# KiCad board AmigaPCI 68040.kicad_pcb (continued)
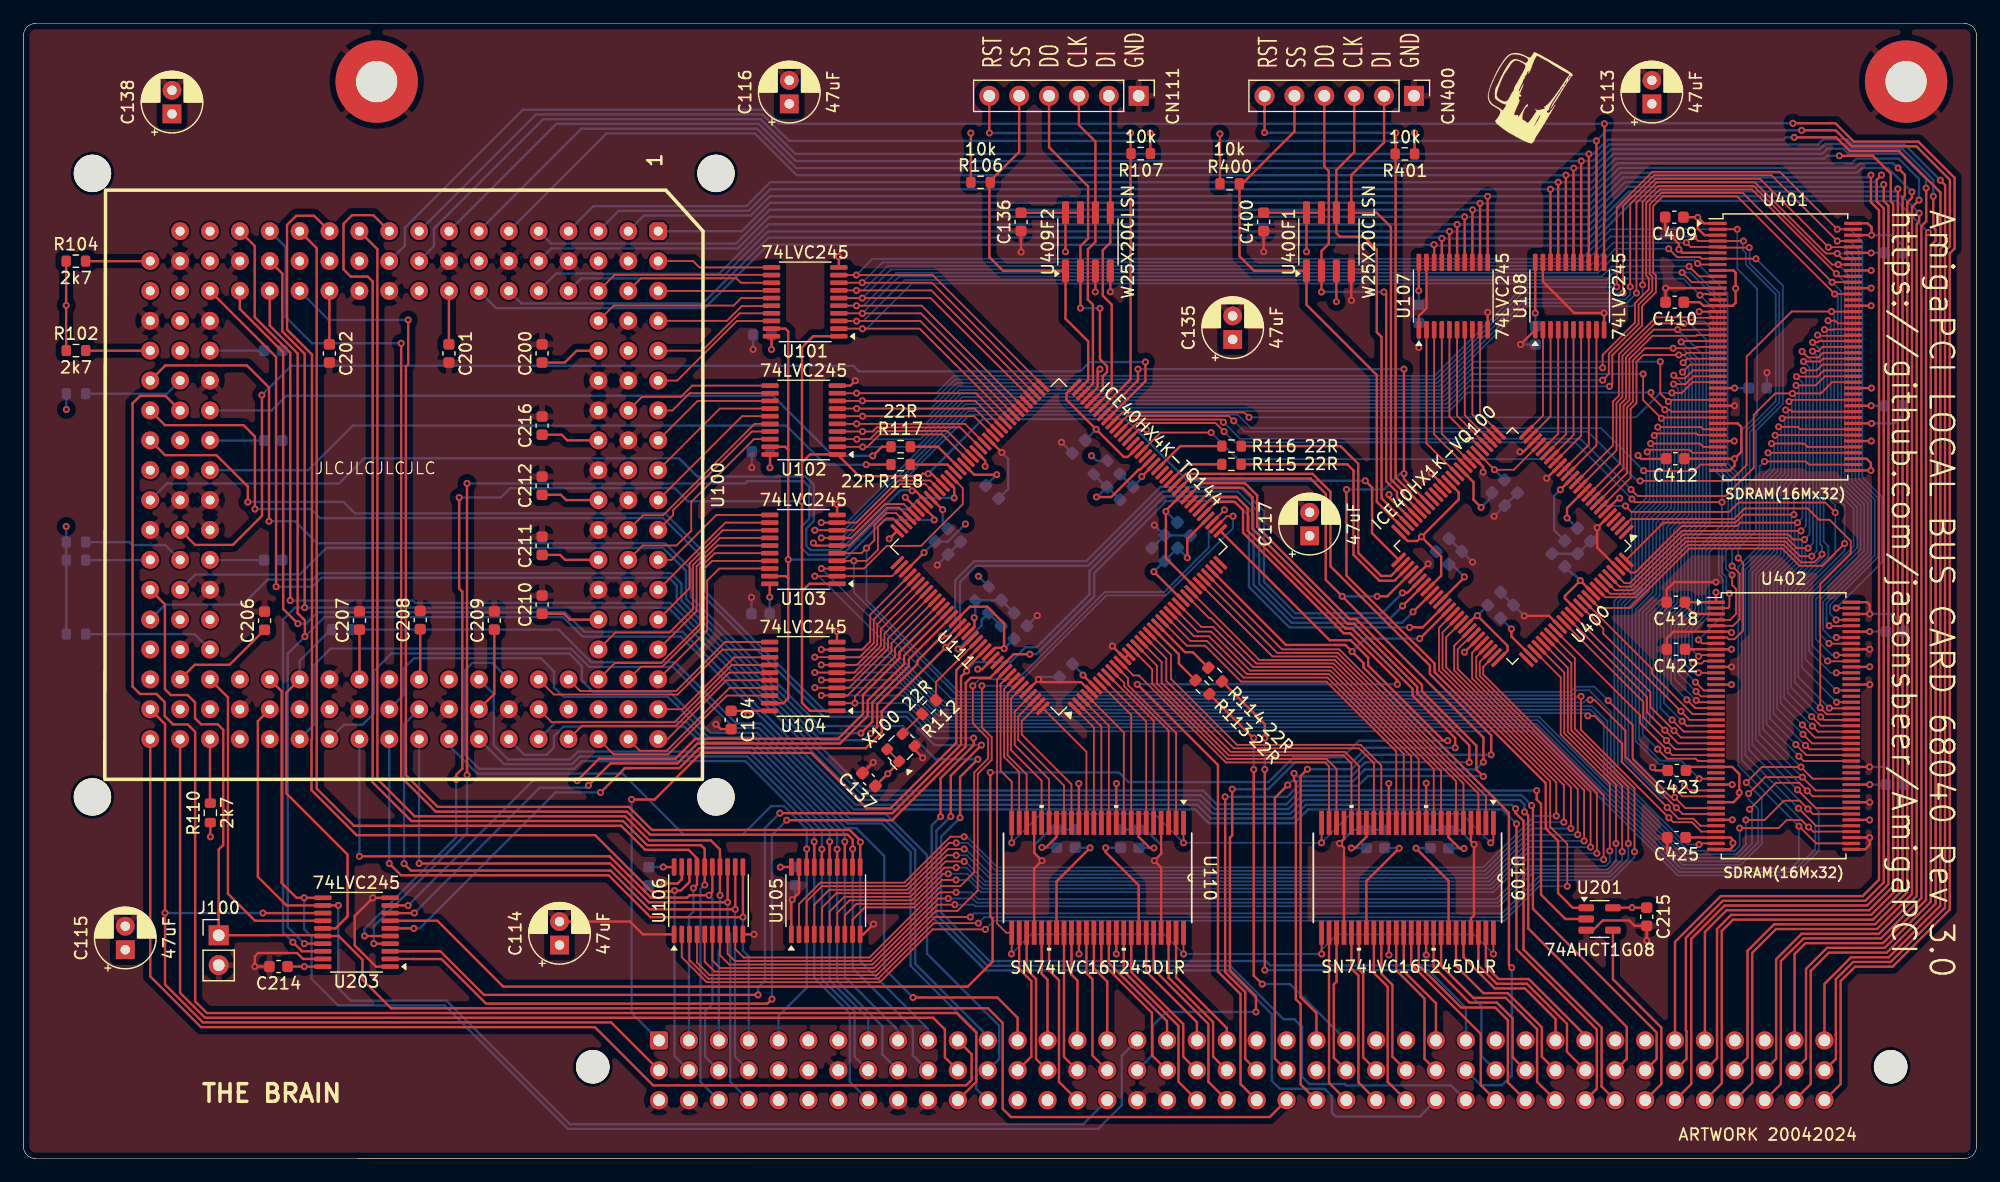
[diagram p0: board, top side]
## Routing (per net, layer and track width the routed paths; a pad name or vN(x,y) marks a point on that pad's centre or on a via; arc(x,y) is an arc through that point) (continued)
LVA10: length 90.4
  Top w0.15: U105.8 69.81,20.66 70.8,21.64 75.62,21.64 78.17,24.2 v1(78.6,24.2) ; v1(133.73,25.94) 133.73,31.05 123.78,41.01 123.78,42.21 U400.73
  Bottom w0.15: v1(133.73,25.94) 133.73,25.94 127.8,25.94 124.8,22.94 81.51,22.94 80.25,24.2 v1(78.6,24.2)
LVA11: length 90
  Top w0.15: U105.9 70.46,20.3 71.5,21.34 75.74,21.34 78.07,23.67 v1(79.27,23.67) ; v1(134.31,25.41) 134.31,30.9 124.08,41.13 124.08,41.8 U400.74
  Bottom w0.15: v1(134.31,25.41) 127.7,25.41 124.93,22.64 81.39,22.64 80.35,23.67 v1(79.27,23.67)
LVA12: length 109.3
  Top w0.15: v1(81.16,20) 77.37,20 72.65,15.28 58.19,15.28 56.6,16.88 U106.3 ; U400.82 131.86,42.52 131.86,36.52 136.93,31.45 v1(136.93,26.07)
  Bottom w0.15: v1(81.16,20) 81.67,20.51 125.77,20.51 128.92,23.66 135,23.66 136.93,25.6 v1(136.93,26.07)
LVA13: length 110
  Top w0.15: v1(81.76,19.47) 77.27,19.47 72.78,14.98 58.07,14.98 55.95,17.1 U106.2 ; v1(131.22,23.14) 131.22,26.74 129.76,28.2 129.76,32.05 120.32,41.5 120.32,45.12 U400.64
  Bottom w0.15: 125.47,20.21 125.89,20.21 128.82,23.14 v1(131.22,23.14) ; 125.47,20.21 82.49,20.21 v1(81.76,19.47) ; 125.47,20.21 125.86,20.21 125.87,20.21
LVA14: length 105.1
  Top w0.15: v1(135.88,26.08) 135.88,31.66 131.26,36.28 131.26,41.7 U400.80 ; v1(79.16,21.57) 77.67,21.57 72.28,16.18 59.21,16.18 58.55,16.84 U106.6
  Bottom w0.15: 134.75,24.26 128.25,24.26 125.43,21.44 80.89,21.44 80.76,21.57 v1(79.16,21.57) ; 134.75,24.26 134.86,24.37 ; 134.75,24.26 134.86,24.37 ; 134.86,24.37 135.88,25.4 v1(135.88,26.08)
LVA15: length 107.6
  Top w0.15: v1(80.48,20.52) 77.47,20.52 72.53,15.58 58.32,15.58 57.25,16.65 U106.4 ; U400.81 131.56,42.11 131.56,36.4 136.41,31.56 v1(136.41,26.77)
  Bottom w0.15: v1(136.41,26.77) 136.41,25.5 134.87,23.96 128.8,23.96 125.67,20.84 80.8,20.84 v1(80.48,20.52)
LVA16: length 13.2
  Top w0.15: U108.9 133.7,60.62 U400.15
LVA17: length 12.8
  Top w0.15: U108.8 133.05,60.67 U400.16
LVA18: length 11.6
  Top w0.15: U108.6 131.75,61.5 U400.19
LVA19: length 12.1
  Top w0.15: U400.18 132.4,61.44 U108.7
LVA20: length 11.1
  Top w0.15: U108.5 131.1,61.55 U400.20
LVA21: length 10.7
  Top w0.15: U400.21 130.45,61.61 U108.4
LVA22: length 10.3
  Top w0.15: U400.28 122.5,63.19 U107.7
LVA23: length 13.3
  Top w0.15: U400.36 119.25,60.78 U107.2
LVA24: length 9.8
  Top w0.15: U400.24 129.8,63.08 U108.3
LVA25: length 12.6
  Top w0.15: U107.3 119.9,61.55 U400.34
LVA26: length 10.8
  Top w0.15: U107.6 121.85,63.13 U400.29
LVA27: length 9.3
  Top w0.15: U400.25 129.15,63.14 U108.2
LVA28: length 11.3
  Top w0.15: U400.30 121.2,63.07 U107.5
LVA29: length 9.4
  Top w0.15: U107.9 123.8,63.3 U400.26
LVA30: length 12.2
  Top w0.15: U400.33 120.55,61.6 120.55,70.44
LVA31: length 9.8
  Top w0.15: U107.8 123.15,63.25 U400.27
PCLKA: length 60.8
  Top w0.2: R118.2 71.64,58.98 v1(71.63,58.97)
  Bottom w0.2: v1(71.63,58.97) 68.16,58.97 64.84,62.29 27.99,62.29 24.2,58.5 U100.135
PCLKB: length 23.2
  Top w0.2: U400.52 116.23,49.51 115.41,49.51 113.45,51.47 113.45,59.04 111.94,60.55 R116.2
PCLKC: length 36.3
  Top w0.2: v1(104.57,35.74) 104.52,35.74 R113.2 ; v1(104.57,33.06) 104.57,31.83 104.57,31.48 ; 104.57,31.48 104.57,32.11 ; 104.57,31.48 104.56,15.55 v1(105.29,14.82)
  Bottom w0.2: CN100.a24 107.65,14.82 v1(105.29,14.82) ; v1(104.57,33.06) v1(104.57,35.74)
R_W: length 30.6
  Top w0.2: U100.112 22.34,39.59 22.34,31.03 27.54,25.83 27.54,20.57 26.52,19.56 25.44,19.56
  Bottom w0.2: U100.112 23.47,42.31 26.11,44.95
R_W-3V: length 175.9
  Top w0.2: 66.17,48.21 v1(66.17,55.86) 66.17,59.16 ; 66.17,48.21 66.17,38.73 66.85,38.05 U104.1 ; 66.17,48.21 66.8,48.85 U103.1 ; U111.97 77.19,58.2 v1(76.89,58.2) 76.44,58.2 76.24,58 71.02,58 U102.1 66.85,59.84 66.17,59.16 ; v1(37.03,56.18) 37.03,48.44 37.3,48.17 37.3,33.13 36.78,32.61 v1(36.78,32.22) ; v1(114.05,57.6) 114.63,57.02 114.63,53.14 116.89,50.88 ; v1(28.98,18.91) 28.98,18.91 U203.5 ; 66.17,59.16 66.17,68.94 67.11,69.89 U101.1
  Bottom w0.2: v1(28.98,18.91) 28.98,19.5 36.77,27.29 36.77,32.22 v1(36.78,32.22) ; v1(76.89,58.2) 81.54,62.85 93.69,62.85 98.93,57.6 v1(114.05,57.6) ; v1(37.03,56.18) 40.57,56.18 41.36,56.97 55.37,56.97 56.48,55.86 v1(66.17,55.86)
RAMCLK: length 102.4
  Top w0.15: 155.33,38.26 153.51,38.26 v1(153.49,38.28) ; U111.56 96.65,61.7 v1(100.95,61.7) ; U401.68 153.88,70.48 153.85,70.45 v1(153.08,70.45) ; v1(154,54.9) 153.15,55.75 145.78,55.75 144.98,54.96 136.67,54.96 v1(136.17,55.46)
  Bottom w0.15: v1(136.17,55.46) 134.21,55.46 130.23,59.44 103.21,59.44 v1(100.95,61.7) ; v1(153.08,70.45) 153.31,70.22 153.31,56.21 154,55.52 v1(154,54.9) 154,51.32 150.85,48.18 150.85,40.92 v1(153.49,38.28)
SIZ0: length 100.5
  Top w0.2: U203.12 22.35,21.51 19.92,23.94 19.92,37.17 U100.119 ; v1(26.76,21.51) 25.44,21.51
  Bottom w0.2: CN100.c16 90.08,2.91 46.45,2.91 35.95,13.41 27.82,13.41 26.76,14.47 v1(26.76,21.51)
SIZ0-3V: length 59.1
  Top w0.2: U203.8 33.21,20.86 v1(33.22,20.86) ; v1(48.02,31.71) 49.89,33.58 55.58,33.58 57.27,35.27 69.41,35.27 71.75,37.62 71.75,38.93 74.85,42.03 74.85,42.74 U111.121
  Bottom w0.2: v1(33.22,20.86) 43.87,31.51 47.82,31.51 v1(48.02,31.71)
SIZ1: length 109.9
  Top w0.2: U100.118 21.94,39.71 21.94,23.42 23.2,22.16 v1(23.85,22.16) U203.11
  Bottom w0.2: CN100.a17 93.35,8.72 93.35,4.52 91.34,2.51 46.28,2.51 35.78,13.01 26.74,13.01 24.49,15.26 24.49,18.84 23.85,19.48 v1(23.85,22.16)
SIZ1-3V: length 58.7
  Top w0.2: v1(32.69,21.5) 32.68,21.51 U203.9 ; U111.120 74.45,43.04 74.45,42.51 71.35,39.41 71.35,37.79 69.24,35.67 57.11,35.67 55.41,33.98 48.93,33.98 v1(47.06,32.11)
  Bottom w0.2: v1(47.06,32.11) 43.3,32.11 v1(32.69,21.5)
TM0: length 84
  Bottom w0.2: 81.96,10.38 75.8,16.54 75.8,26.21 73.14,28.87 70.22,28.87 62.51,36.58 60.41,36.58 55.21,41.78 48.09,41.78 46.53,43.34 26.11,43.34 24.72,41.95 24.72,36.89 U100.114
TM1: length 86
  Bottom w0.2: CN100.c12 80.98,5.93 80.98,10.79 75.4,16.37 75.4,26.05 72.97,28.47 70.06,28.47 62.35,36.18 58.4,36.18 54.93,39.64 48.44,39.64 47.45,40.64 47.45,41.86 46.39,42.92 31.27,42.92 29.79,41.44 29.79,37.84 28.82,36.87 27.24,36.87 U100.108
TM2: length 77.5
  Top w0.2: CN100.a13 84.5,11.96 82.78,13.68 v1(75.61,13.68)
  Bottom w0.2: v1(75.61,13.68) 73.17,16.12 73.17,25.7 70.8,28.07 69.89,28.07 62.18,35.78 58.23,35.78 54.77,39.24 45.89,39.24 45.09,40.04 45.09,41.4 43.97,42.52 33.2,42.52 32.31,41.63 32.31,39.4 U100.95
TT0: length 198.1
  Top w0.2: CN100.c32 133.73,5.93 133.73,10.96 126.9,17.79 v1(126.9,28.44) ; v1(23.87,18.26) 25.43,18.26 ; U100.117 20.93,70.8 23.3,68.43 23.3,46.35 23.92,45.73 v1(23.92,44.36)
  Bottom w0.2: v1(23.87,18.26) 22.46,19.67 22.46,42.9 v1(23.92,44.36) 25.58,46.02 45.85,46.02 47.51,44.36 55.86,44.36 70.55,29.67 99.59,29.67 100.76,28.5 108.01,28.5 109.18,29.67 125.68,29.67 126.9,28.45 v1(126.9,28.44)
TT0-3V: length 131.6
  Top w0.2: U203.3 32.67,17.61 32.68,17.61 35.43,17.61 39.14,13.9 v1(62.44,13.9) ; U111.130 80.17,41.69 v1(80.17,41.43) 79.69,40.95 79.69,35.18 73.86,29.35 v1(64.29,29.35) ; 119.7,48.05 v1(118.11,46.46)
  Bottom w0.2: v1(64.29,29.35) 63.02,28.08 63.02,15.12 62.44,14.54 v1(62.44,13.9) ; v1(118.11,46.46) 117.19,45.54 107.77,45.54 104.56,48.76 104.56,54.78 103.05,56.28 96.97,56.28 90.61,49.93 90.61,47.96 86.12,43.46 85.17,43.46 83.89,42.18 83.88,42.19 80.86,42.19 80.17,41.5 v1(80.17,41.43)
TT1: length 201.8
  Top w0.2: CN100.b33 136.28,8.47 136.28,11.17 127.9,19.55 127.9,29.14 v1(127.58,29.46) ; U100.116 22,75.21 22,70.29 23.9,68.39 v1(23.9,46.82) ; U203.18 23.67,17.61 v1(22.9,18.38)
  Bottom w0.2: v1(22.9,18.38) 22.06,19.23 22.06,45.8 23.08,46.82 v1(23.9,46.82) 53.52,46.82 53.53,46.81 54.81,46.81 71.15,30.47 99.92,30.47 101.09,29.3 107.68,29.3 108.85,30.47 127.19,30.47 127.58,30.08 v1(127.58,29.46)
TT1-3V: length 130.1
  Top w0.2: v1(117.81,45.14) 118.93,45.14 U400.62 ; v1(63.62,13.55) 63.23,13.16 39.31,13.16 35.52,16.95 33.21,16.95 33.2,16.96 U203.2 ; v1(85.54,42.86) 84.17,42.86 U111.134 82.16,40.85 80.51,40.85 80.09,40.43 80.09,35.01 73.83,28.75 v1(64.87,28.75)
  Bottom w0.2: v1(85.54,42.86) 86.08,42.86 91.01,47.79 91.01,49.76 97.14,55.88 102.89,55.88 104.16,54.61 104.16,48.59 107.61,45.14 v1(117.81,45.14) ; v1(63.62,13.55) 63.62,27.5 v1(64.87,28.75)
UPA0: length 170.4
  Top w0.2: CN100.c33 134.13,6.12 134.13,11.12 127.5,17.76 127.5,28.69 126.83,29.36 v1(126.83,29.73) ; U100.123 18.39,72.21 22.07,68.53 22.07,46.71 v1(23.32,45.46)
  Bottom w0.2: v1(23.32,45.46) 24.02,45.46 24.99,46.42 46.02,46.42 47.68,44.76 55.86,44.76 55.87,44.77 56.05,44.77 56.05,44.74 70.72,30.07 99.75,30.07 100.92,28.9 107.84,28.9 109.01,30.07 126.49,30.07 v1(126.83,29.73)
UPA1: length 174.2
  Top w0.2: U100.121 19.65,77.56 19.65,71.51 22.67,68.49 v1(22.67,47.42) ; v1(128.18,30) 128.3,29.89 128.3,21.22 138.81,10.71 138.81,8.47 CN100.b34
  Bottom w0.2: v1(22.67,47.42) 33.12,47.42 33.32,47.22 54.97,47.22 54.97,47.21 71.32,30.87 100.09,30.87 101.25,29.7 107.51,29.7 108.68,30.87 127.35,30.87 128.18,30.04 v1(128.18,30)
Net-(CN100-Pin_b12): length 78.2
  Bottom w0.2: CN100.b12 82.93,8.47 82.93,11.27 76.8,17.41 76.8,25.78 73.3,29.27 70.39,29.27 62.68,36.98 60.58,36.98 55.37,42.18 48.26,42.18 45.49,44.95 R111.1
Net-(U100A-_LOCKE): length 5.4
  Top w0.2: U100.144 15.85,30.23
Net-(U111-GNDPLL0): length 4.2
  Top w0.2: 96.07,58.98 v1(95.05,57.96)
  Bottom w0.2: v1(95.05,57.96) 95.05,57.83 C133.2 ; 94.28,57.09 C134.2
Net-(U111-GNDPLL1): length 7.3
  Top w0.2: v1(79.44,43.3) 79.66,43.3 U111.127
  Bottom w0.2: 82.02,46.36 C131.2 ; C132.2 81.45,45.79 81.45,45.31 v1(79.44,43.3)
Net-(U111-IO1_140_GBIN3): length 5
  Top w0.2: U111.93 77.72,60.5 R117.1
Net-(U111-IO1_141_GBIN2): length 4.1
  Top w0.2: R118.1 78.53,58.98 U111.94
Net-(U111-IO2_81_GBIN5): length 5
  Top w0.2: R115.1 98.9,59 U111.49
Net-(U111-IO2_82_GBIN4): length 6.2
  Top w0.2: U111.52 98.33,60.55 R116.1
Net-(U111-IO3_13B_GBIN7): length 5.8
  Top w0.2: R113.1 98.21,42.05 98.21,42.84 U111.20
Net-(U111-IO3_14A_GBIN6): length 5.8
  Top w0.2: U111.21 98.73,43.03 99.39,43.03 R114.1
Net-(U111-VCCPLL0): length 10.1
  Top w0.2: v1(91.2,56.22) 92.46,56.22 94.8,58.56 94.92,58.56 U111.54
  Bottom w0.2: 92.12,57.08 C133.1 ; 92.03,57.08 R109.2 ; v1(91.2,56.22) 91.24,56.22 C134.1
Net-(U111-VCCPLL1): length 6.8
  Top w0.2: U111.126 80.83,45.17 80.83,45.94 v1(80.81,45.96)
  Bottom w0.2: 83.09,47.43 R108.1 80.9,46.05 v1(80.81,45.96) ; 83.12,47.45 C131.1
Net-(X100-OUT): length 2.2
  Top w0.15: 74.84,36.23 76.39,37.77

## Copper pours and planes (outline as drawn; the poured copper is in the pictures)
+1V2 on In2.Cu: 75.82,51.85 87.97,64.1 99.52,51.66 87.53,39.92
+1V2 on In2.Cu: 119.06,51.69 126.52,44.02 134.51,52.13 127.04,59.71
+3V3 on In2.Cu: 0,96.42 0.01,-0.05 166,-0.04 166,96.42
+5V on In3.Cu: 0,96.47 0.01,0 166,0.01 166,96.47
GND on Top: 0,96.47 0.01,0 166,0.01 166,96.47
GND on Bottom: -0.03,96.43 -0.02,-0.04 165.97,-0.03 165.97,96.43
GND on In1.Cu: 0,96.42 0.01,-0.05 166,-0.04 166,96.42
GND on In4.Cu: 0,96.47 0.01,0 166,0.01 166,96.47

## Text on the board
B.Silkscreen: CONNECTOR THIS SIDE!
F.Fab: U401
F.Silkscreen: JLCJLCJLCJLC | ARTWORK 20042024 | RST / SS / DO / CLK / DI / GND | 1 | THE BRAIN | AmigaPCI LOCAL BUS CARD 68040 Rev 3.0 / https://github.com/jasonsbeer/AmigaPCI
